# Altium PCB AMS_Remote_Module_A1.PcbDoc (part 1 of 3) (continued)
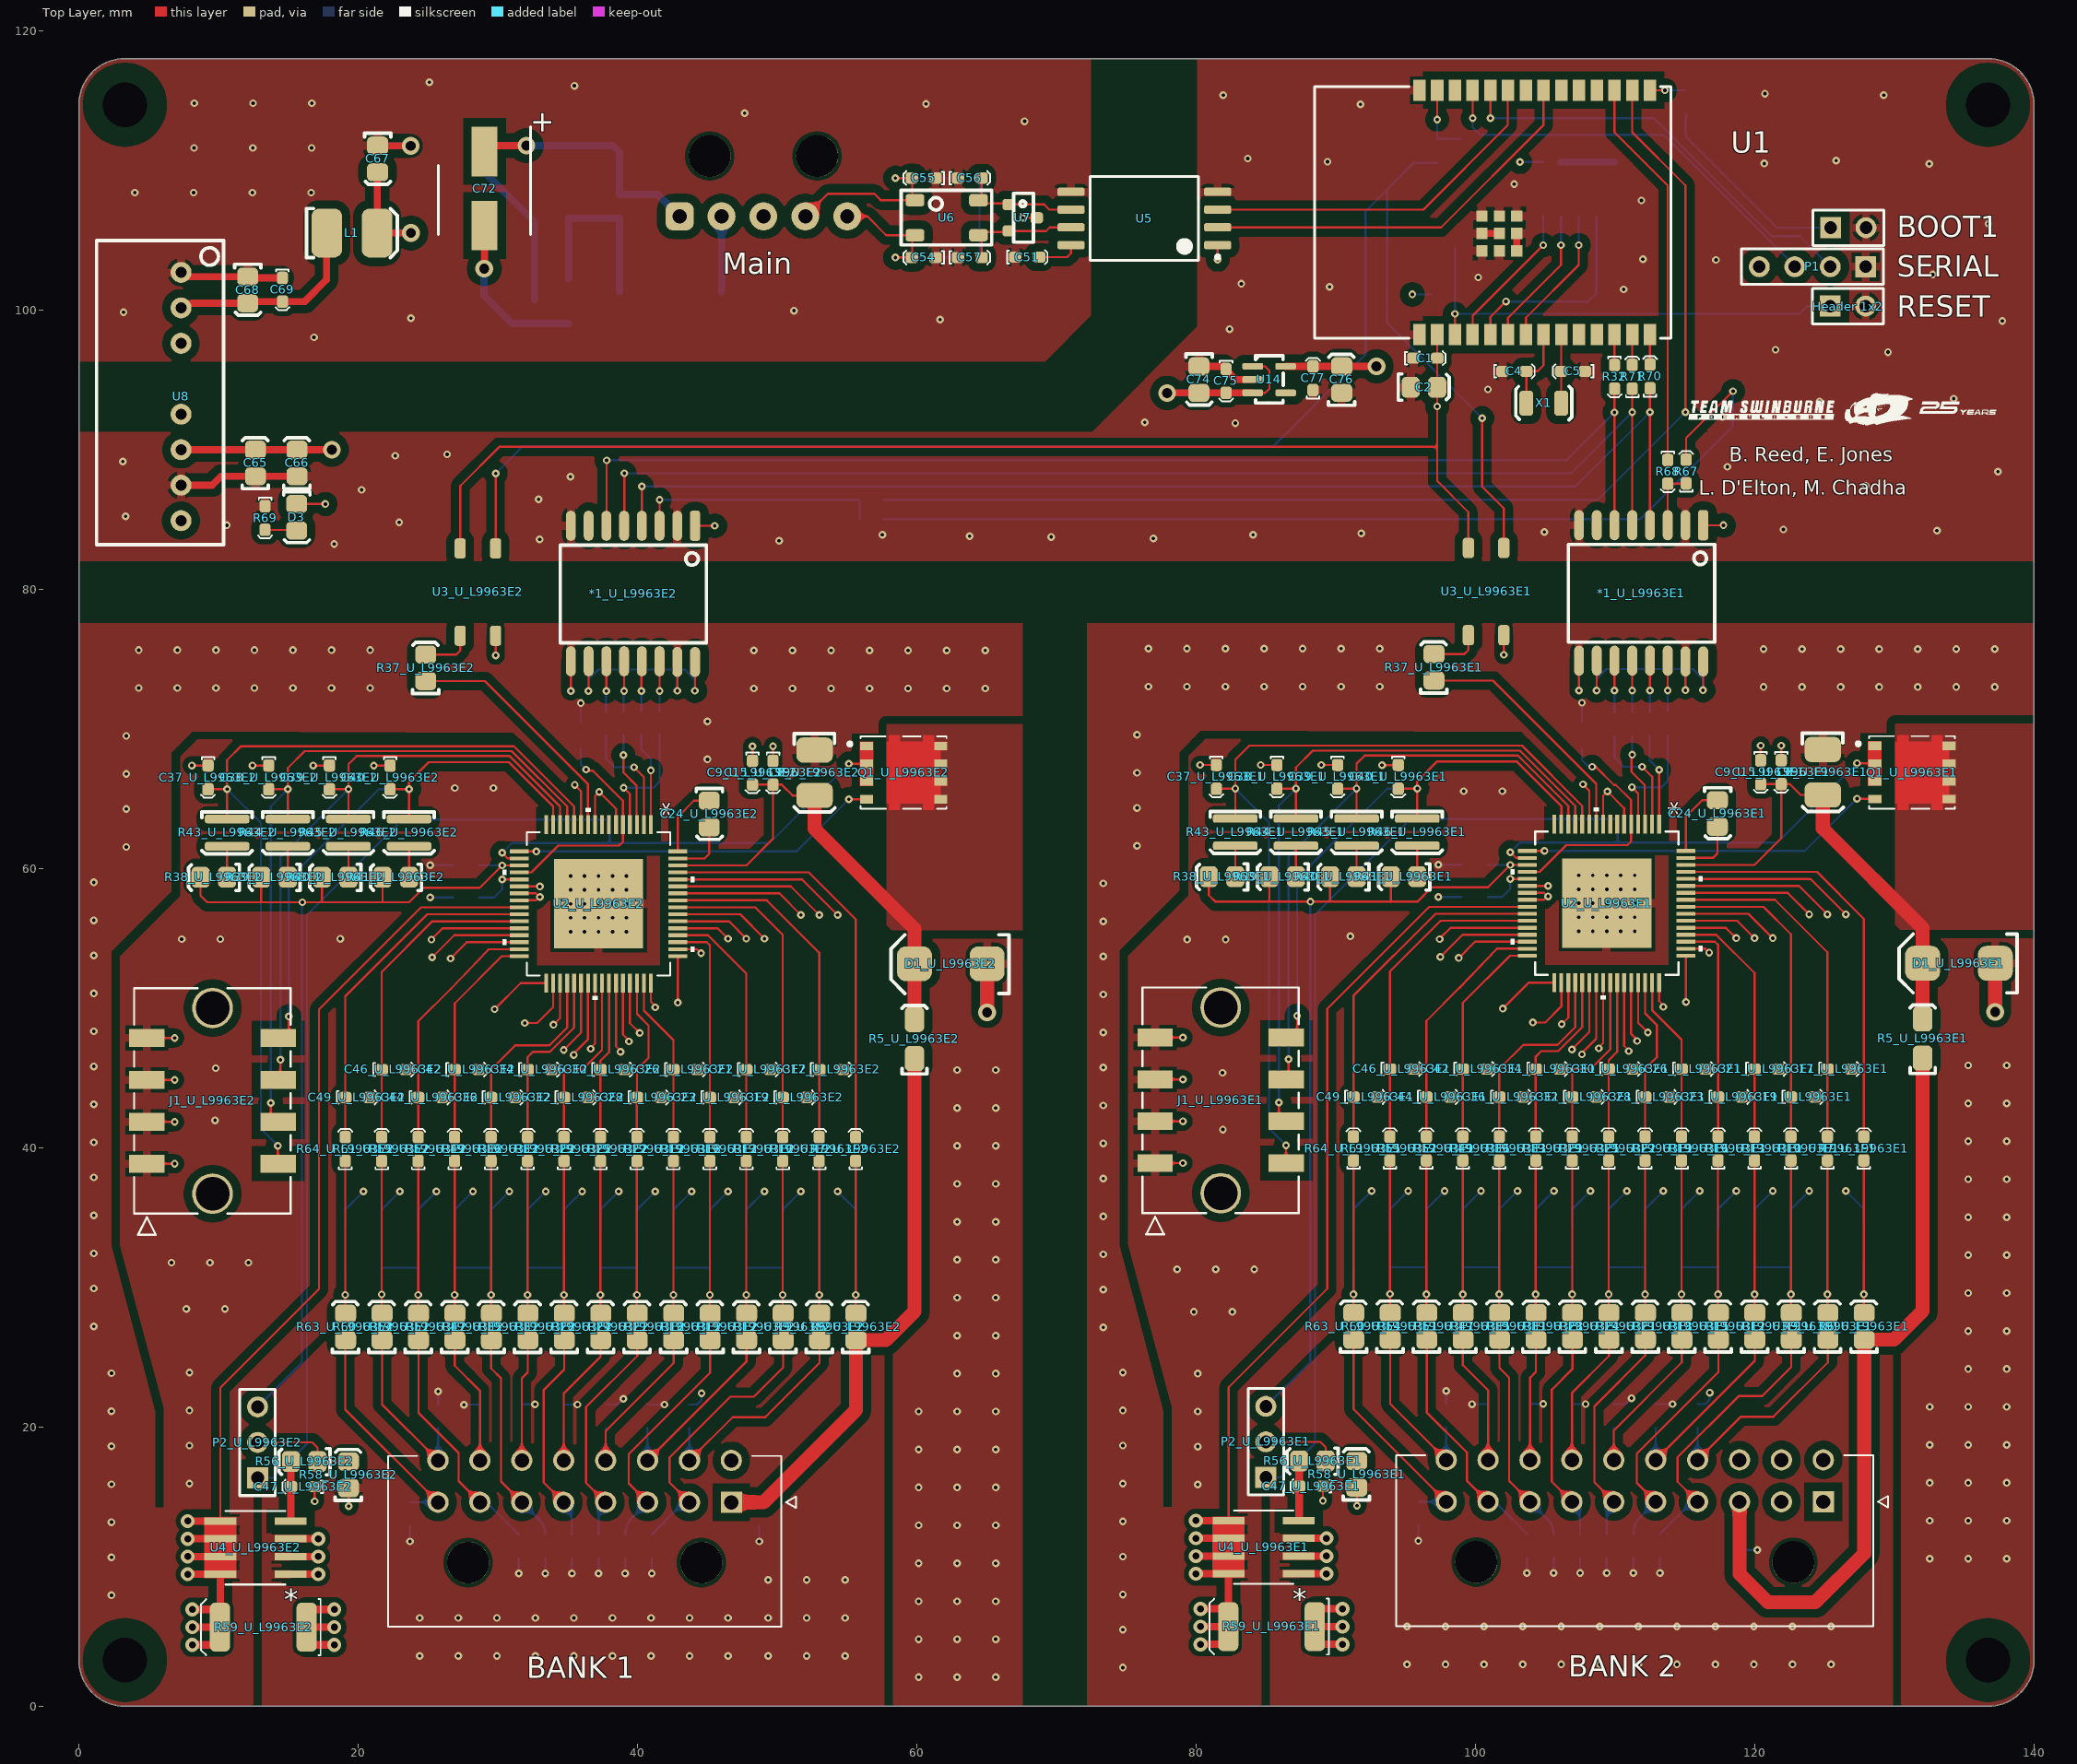
[diagram p0: Top Layer view]
## Components (designator, comment, footprint, x,y, rotation, side; value= is the part's Value field where it differs from the comment) (continued)
P2_U_L9963E1 "2.54mm" "TH 2.54mm Header 1x3" 84.988,16.395 r90 top (schematic designator P2)
P2_U_L9963E2 "2.54mm" "TH 2.54mm Header 1x3" 12.802,16.358 r90 top (schematic designator P2)
Q1_U_L9963E1 "STL8N10LF3" TRANS_STL60P4LLF6 131.255,66.878 r0 top (schematic designator Q1)
Q1_U_L9963E2 "STL8N10LF3" TRANS_STL60P4LLF6 59.055,66.866 r0 top (schematic designator Q1)
R1 "10k" 0603 115.062,115.736 r270 bottom
R2 "10k" 0603 96.827,101.117 r0 bottom
R3 "1k" 0603 97.257,112.243 r270 bottom
R4 "10k" 0603 95.543,112.243 r270 bottom
R5_U_L9963E1 "FERRITE" 1206 132.02,49.022 r90 top value=1K (schematic designator R5)
R5_U_L9963E2 "FERRITE" 1206 59.833,48.984 r90 top value=1K (schematic designator R5)
R6_U_L9963E1 "FERRITE" 0805 127.808,27.216 r90 top value=1K (schematic designator R6)
R6_U_L9963E2 "FERRITE" 0805 55.621,27.178 r90 top value=1K (schematic designator R6)
R7_U_L9963E1 "100R" 0603 127.808,39.091 r90 top value=10R (schematic designator R7)
R7_U_L9963E2 "100R" 0603 55.621,39.053 r90 top value=10R (schematic designator R7)
R8_U_L9963E1 "39R" 1206 127.808,34.174 r90 bottom (schematic designator R8)
R8_U_L9963E2 "39R" 1206 55.621,34.136 r90 bottom (schematic designator R8)
R9_U_L9963E1 "FERRITE" 0805 125.2,27.216 r90 top value=1K (schematic designator R9)
R9_U_L9963E2 "FERRITE" 0805 53.013,27.178 r90 top value=1K (schematic designator R9)
R10_U_L9963E1 "100R" 0603 125.198,39.091 r90 top value=10R (schematic designator R10)
R10_U_L9963E2 "100R" 0603 53.011,39.053 r90 top value=10R (schematic designator R10)
R11_U_L9963E1 "39R" 1206 122.588,34.047 r90 bottom (schematic designator R11)
R11_U_L9963E2 "39R" 1206 50.401,34.009 r90 bottom (schematic designator R11)
R12_U_L9963E1 "FERRITE" 0805 122.588,27.216 r90 top value=1K (schematic designator R12)
R12_U_L9963E2 "FERRITE" 0805 50.401,27.178 r90 top value=1K (schematic designator R12)
R13_U_L9963E1 "100R" 0603 122.588,39.091 r90 top value=10R (schematic designator R13)
R13_U_L9963E2 "100R" 0603 50.401,39.053 r90 top value=10R (schematic designator R13)
R14_U_L9963E1 "39R" 1206 119.977,34.047 r90 bottom (schematic designator R14)
R14_U_L9963E2 "39R" 1206 47.791,34.009 r90 bottom (schematic designator R14)
R15_U_L9963E1 "FERRITE" 0805 119.977,27.216 r90 top value=1K (schematic designator R15)
R15_U_L9963E2 "FERRITE" 0805 47.79,27.178 r90 top value=1K (schematic designator R15)
R16_U_L9963E1 "100R" 0603 119.977,39.091 r90 top value=10R (schematic designator R16)
R16_U_L9963E2 "100R" 0603 47.791,39.053 r90 top value=10R (schematic designator R16)
R17_U_L9963E1 "39R" 1206 117.367,34.047 r90 bottom (schematic designator R17)
R17_U_L9963E2 "39R" 1206 45.18,34.009 r90 bottom (schematic designator R17)
R18_U_L9963E1 "FERRITE" 0805 117.367,27.216 r90 top value=1K (schematic designator R18)
R18_U_L9963E2 "FERRITE" 0805 45.18,27.178 r90 top value=1K (schematic designator R18)
R19_U_L9963E1 "100R" 0603 117.367,39.091 r90 top value=10R (schematic designator R19)
R19_U_L9963E2 "100R" 0603 45.18,39.053 r90 top value=10R (schematic designator R19)
R20_U_L9963E1 "39R" 1206 114.757,34.047 r90 bottom (schematic designator R20)
R20_U_L9963E2 "39R" 1206 42.57,34.009 r90 bottom (schematic designator R20)
R21_U_L9963E1 "FERRITE" 0805 114.756,27.216 r90 top value=1K (schematic designator R21)
R21_U_L9963E2 "FERRITE" 0805 42.57,27.178 r90 top value=1K (schematic designator R21)
R22_U_L9963E1 "100R" 0603 114.757,39.091 r90 top value=10R (schematic designator R22)
R22_U_L9963E2 "100R" 0603 42.57,39.053 r90 top value=10R (schematic designator R22)
R23_U_L9963E1 "39R" 1206 112.146,34.047 r90 bottom (schematic designator R23)
R23_U_L9963E2 "39R" 1206 39.959,34.009 r90 bottom (schematic designator R23)
R24_U_L9963E1 "FERRITE" 0805 112.146,27.216 r90 top value=1K (schematic designator R24)
R24_U_L9963E2 "FERRITE" 0805 39.959,27.178 r90 top value=1K (schematic designator R24)
R25_U_L9963E1 "100R" 0603 112.146,39.091 r90 top value=10R (schematic designator R25)
R25_U_L9963E2 "100R" 0603 39.959,39.053 r90 top value=10R (schematic designator R25)
R26 "10k" 0603 55.907,85.014 r0 bottom
R27_U_L9963E1 "39R" 1206 109.536,34.047 r90 bottom (schematic designator R27)
R27_U_L9963E2 "39R" 1206 37.349,34.009 r90 bottom (schematic designator R27)
R28_U_L9963E1 "FERRITE" 0805 109.536,27.216 r90 top value=1K (schematic designator R28)
R28_U_L9963E2 "FERRITE" 0805 37.349,27.178 r90 top value=1K (schematic designator R28)
R29_U_L9963E1 "100R" 0603 109.536,39.091 r90 top value=10R (schematic designator R29)
R29_U_L9963E2 "100R" 0603 37.349,39.053 r90 top value=10R (schematic designator R29)
R30_U_L9963E1 "39R" 1206 106.925,34.047 r90 bottom (schematic designator R30)
R30_U_L9963E2 "39R" 1206 34.738,34.009 r90 bottom (schematic designator R30)
R31_U_L9963E1 "FERRITE" 0805 106.925,27.216 r90 top value=1K (schematic designator R31)
R31_U_L9963E2 "FERRITE" 0805 34.738,27.178 r90 top value=1K (schematic designator R31)
R32 "10R" 0603 109.957,96.061 r270 top
R33_U_L9963E1 "100R" 0603 106.925,39.091 r90 top value=10R (schematic designator R33)
R33_U_L9963E2 "100R" 0603 34.738,39.053 r90 top value=10R (schematic designator R33)
R34_U_L9963E1 "39R" 1206 104.315,34.047 r90 bottom (schematic designator R34)
R34_U_L9963E2 "39R" 1206 32.128,34.009 r90 bottom (schematic designator R34)
R35_U_L9963E1 "FERRITE" 0805 104.315,27.216 r90 top value=1K (schematic designator R35)
R35_U_L9963E2 "FERRITE" 0805 32.128,27.178 r90 top value=1K (schematic designator R35)
R36_U_L9963E1 "100R" 0603 104.315,39.091 r90 top value=10R (schematic designator R36)
R36_U_L9963E2 "100R" 0603 32.128,39.053 r90 top value=10R (schematic designator R36)
R37_U_L9963E1 "2k" 0805 97.003,74.422 r90 top (schematic designator R37)
R37_U_L9963E2 "2k" 0805 24.816,74.384 r90 top (schematic designator R37)
R38_U_L9963E1 "680R" 0805 81.842,59.385 r180 top (schematic designator R38)
R38_U_L9963E2 "680R" 0805 9.655,59.348 r180 top (schematic designator R38)
R39_U_L9963E1 "680R" 0805 86.185,59.385 r180 top (schematic designator R39)
R39_U_L9963E2 "680R" 0805 13.999,59.348 r180 top (schematic designator R39)
R40_U_L9963E1 "680R" 0805 90.529,59.385 r180 top (schematic designator R40)
R40_U_L9963E2 "680R" 0805 18.342,59.348 r180 top (schematic designator R40)
R41_U_L9963E1 "680R" 0805 94.872,59.385 r180 top (schematic designator R41)
R41_U_L9963E2 "680R" 0805 22.685,59.348 r180 top (schematic designator R41)
R42_U_L9963E1 "39R" 1206 101.704,34.047 r90 bottom (schematic designator R42)
R42_U_L9963E2 "39R" 1206 29.518,34.009 r90 bottom (schematic designator R42)
R43_U_L9963E1 "3.9K" 0612 82.804,63.576 r270 top (schematic designator R43)
R43_U_L9963E2 "3.9K" 0612 10.617,63.539 r270 top (schematic designator R43)
R44_U_L9963E1 "3.9K" 0612 87.147,63.576 r270 top (schematic designator R44)
R44_U_L9963E2 "3.9K" 0612 14.961,63.539 r270 top (schematic designator R44)
R45_U_L9963E1 "3.9K" 0612 91.491,63.576 r270 top (schematic designator R45)
R45_U_L9963E2 "3.9K" 0612 19.304,63.539 r270 top (schematic designator R45)
R46_U_L9963E1 "3.9K" 0612 95.834,63.576 r270 top (schematic designator R46)
R46_U_L9963E2 "3.9K" 0612 23.647,63.539 r270 top (schematic designator R46)
R47_U_L9963E1 "FERRITE" 0805 101.704,27.216 r90 top value=1K (schematic designator R47)
R47_U_L9963E2 "FERRITE" 0805 29.518,27.178 r90 top value=1K (schematic designator R47)
R48 "10R" 0603 57.611,86.411 r180 bottom
R49_U_L9963E1 "100R" 0603 101.704,39.091 r90 top value=10R (schematic designator R49)
R49_U_L9963E2 "100R" 0603 29.518,39.053 r90 top value=10R (schematic designator R49)
R50_U_L9963E1 "39R" 1206 99.094,34.047 r90 bottom (schematic designator R50)
R50_U_L9963E2 "39R" 1206 26.907,34.009 r90 bottom (schematic designator R50)
R51_U_L9963E1 "FERRITE" 0805 99.094,27.216 r90 top value=1K (schematic designator R51)
R51_U_L9963E2 "FERRITE" 0805 26.907,27.178 r90 top value=1K (schematic designator R51)
R52_U_L9963E1 "100R" 0603 99.094,39.091 r90 top value=10R (schematic designator R52)
R52_U_L9963E2 "100R" 0603 26.907,39.053 r90 top value=10R (schematic designator R52)
R53_U_L9963E1 "39R" 1206 96.484,34.047 r90 bottom (schematic designator R53)
R53_U_L9963E2 "39R" 1206 24.297,34.009 r90 bottom (schematic designator R53)
R54_U_L9963E1 "FERRITE" 0805 96.484,27.216 r90 top value=1K (schematic designator R54)
R54_U_L9963E2 "FERRITE" 0805 24.297,27.178 r90 top value=1K (schematic designator R54)
R55_U_L9963E1 "100R" 0603 96.484,39.091 r90 top value=10R (schematic designator R55)
R55_U_L9963E2 "100R" 0603 24.297,39.053 r90 top value=10R (schematic designator R55)
R56_U_L9963E1 "1k" 0805 88.314,17.538 r180 top (schematic designator R56)
R56_U_L9963E2 "1k" 0805 16.127,17.501 r180 top (schematic designator R56)
R57_U_L9963E1 "39R" 1206 93.873,34.047 r90 bottom (schematic designator R57)
R57_U_L9963E2 "39R" 1206 21.686,34.009 r90 bottom (schematic designator R57)
R58_U_L9963E1 "100k" 0805 91.465,16.626 r90 top (schematic designator R58)
R58_U_L9963E2 "100k" 0805 19.279,16.589 r90 top (schematic designator R58)
R59_U_L9963E1 "47R" 2512 88.496,5.702 r180 top (schematic designator R59)
R59_U_L9963E2 "47R" 2512 16.309,5.664 r180 top (schematic designator R59)
R60_U_L9963E1 "FERRITE" 0805 93.873,27.216 r90 top value=1K (schematic designator R60)
R60_U_L9963E2 "FERRITE" 0805 21.686,27.178 r90 top value=1K (schematic designator R60)
R61_U_L9963E1 "100R" 0603 93.873,39.091 r90 top value=10R (schematic designator R61)
R61_U_L9963E2 "100R" 0603 21.686,39.053 r90 top value=10R (schematic designator R61)
R62_U_L9963E1 "39R" 1206 91.263,34.047 r90 bottom (schematic designator R62)
R62_U_L9963E2 "39R" 1206 19.076,34.009 r90 bottom (schematic designator R62)
R63_U_L9963E1 "FERRITE" 0805 91.263,27.216 r90 top value=1K (schematic designator R63)
R63_U_L9963E2 "FERRITE" 0805 19.076,27.178 r90 top value=1K (schematic designator R63)
R64_U_L9963E1 "100R" 0603 91.263,39.091 r90 top value=10R (schematic designator R64)
R64_U_L9963E2 "100R" 0603 19.076,39.053 r90 top value=10R (schematic designator R64)
R65 "56R" 0805 63.502,103.785 r180 bottom
R66 "56R" 0805 63.551,109.422 r0 bottom
R67 "10k" 0603 115.087,87.581 r90 top
R68 "10R" 0603 113.767,89.259 r270 top
R69 "1.2k" 0603 13.335,85.952 r270 top
R70 "10R" 0603 112.497,94.391 r90 top
R71 "10R" 0603 111.227,94.363 r90 top
R72_U_L9963E1 "10R" 0603 113.767,69.471 r90 bottom (schematic designator R72)
R72_U_L9963E2 "10R" 0603 41.58,69.522 r90 bottom (schematic designator R72)
R73_U_L9963E1 "10R" 0603 112.497,69.471 r90 bottom (schematic designator R73)
R73_U_L9963E2 "10R" 0603 40.284,69.545 r90 bottom (schematic designator R73)
R74_U_L9963E1 "10R" 0603 111.227,69.445 r90 bottom (schematic designator R74)
R74_U_L9963E2 "10R" 0603 38.989,69.548 r90 bottom (schematic designator R74)
R75_U_L9963E1 "10R" 0603 109.957,69.445 r90 bottom (schematic designator R75)
R75_U_L9963E2 "10R" 0603 37.744,69.556 r90 bottom (schematic designator R75)
U1 "ESP32-C6-WROOM-1-N8" ESP32-C6-WROOM-1-N8 101.247,106.986 r90 top
U2_U_L9963E1 "L9963E" TQFP64_L9963E_STM 109.398,57.506 r270 top (schematic designator U2)
U2_U_L9963E2 "L9963E" TQFP64_L9963E_STM 37.211,57.468 r270 top (schematic designator U2)
U3_U_L9963E1 "PS2703-1-F3" 4-SOP 99.492,76.708 r90 top (schematic designator U3)
U3_U_L9963E2 "PS2703-1-F3" 4-SOP 27.305,76.67 r90 top (schematic designator U3)
U4_U_L9963E1 "STS8DN6LF6AG" SO-8_STM-M 84.836,11.391 r180 top (schematic designator U4)
U4_U_L9963E2 "STS8DN6LF6AG" SO-8_STM-M 12.649,11.354 r180 top (schematic designator U4)
U5 "ISO1042" TI-SOIC-8 76.294,106.553 r180 top
U6 "B82787C0104H002" "TDK 4-PC Pad" 59.868,107.859 r0 top value="100µH @ 100kHz"
U7 "NUP2105L" "ON SOT-23" 67.589,106.604 r270 top
U8 "ITQ2405SA" 8-SIP 1.265,104.982 r270 top
U12 "744272121" "Wurth 4-PC Pad" 21.39,111.769 r0 bottom value="120uH @ 100kHz"
U14 "TLV70033-Q1" "TI SOT-23-5" 84.049,95.965 r270 top
X1 "32.768kHz" "EPSON 2-SMD" 104.889,93.323 r0 top

## Footprints (in the part's own frame and the unit in brackets; to place one, negate y for a bottom-side part, rotate by r counter-clockwise, add the part's x,y. Pads: shape width x height; smd on the part's side, far side on the other; paste and mask are expansions set on the pad)
4-SOP [mm]
  rrect50% 1.45x0.8 smd: 1(0,0) 2(0,-2.54) 3(6.25,-2.54) 4(6.25,0)
  body extent 0.5,-3.5 5.75,1, height 2.1
8-SIP [mm]
  round 1.5 hole 0.8: 1(2.29,6.05) 2(4.83,6.05) 3(7.37,6.05) 5(12.45,6.05) 6(14.99,6.05) 7(17.53,6.05) 8(20.07,6.05)
  silkscreen extent 0,0 21.8,9.1, body extent 0,0 21.8,9.1, height 11.2
0603 [mm]
  rrect50% 0.9x0.8 smd: 1(0,0) 2(1.7,0)
  silkscreen extent -0.6,-0.5 2.3,0.5, body extent 0.05,-0.42 1.65,0.43, height 0.6
0612 [mm]
  rrect50% 0.6x3.2 smd: 1(0,0) 2(1.95,0)
  silkscreen extent -0.5,-1.8 2.5,1.8, body extent 0,-1.8 1.95,1.8, height 0.55
0805 [mm]
  rrect50% 1.3x1.5 smd: 1(-0.962,-0.026) 2(0.938,-0.026)
  silkscreen extent -1.85,-0.95 1.8,0.93, body extent -1,-0.65 1,0.66, height 0.73
"0805 LED" [mm]
  rrect50% 1.3x1.5 smd: A(-0.962,-0.026) K(0.938,-0.026)
  silkscreen extent -1.85,-0.95 1.8,0.93, body extent -1.09,-0.63 0.91,0.62, height 1
1206 [mm]
  rrect50% 1.8x1.4 smd: 1(-2.6,0) 2(0.2,0)
  silkscreen extent -3.7,-0.9 1.2,0.9, body extent -2.9,-0.9 0.5,0.9, height 1.85
1210 [mm]
  rrect50% 1.8x2.6 smd: 1(-2.81,0) 2(0.44,0)
  silkscreen extent -3.99,-1.46 1.62,1.46, body extent -2.77,-1.26 0.43,1.24, height 2.51
1812 [mm]
  rrect50% 2.2x3.5 smd: 1(-1.8,0) 2(1.8,0)
  silkscreen extent -3.25,-1.75 3.25,1.75, body extent -2.25,-1.6 2.25,1.6, height 2.5
2512 [mm]
  rrect50% 1.45x3.5 smd: 1(0,0) 2(6.2,0)
  silkscreen extent -1,-2 7.55,2, body extent 0,-2 6.2,2, height 0.6
2920 [mm]
  rrect50% 2.3x5.6 smd: 1(0,0) 2(7.3,0)
  silkscreen extent -1.4,-3 9,3, body extent -0.34,-2.81 7.64,2.81, height 1.14
3221-10-0300-00 [mm]
  rect 0.76x2.4 smd: 1(-2.54,-1.95) 2(-2.54,1.95) 3(-1.27,-1.95) 4(-1.27,1.95) 5(0,-1.95) 6(0,1.95) 7(1.27,-1.95) 8(1.27,1.95) 9(2.54,-1.95) 10(2.54,1.95)
  silkscreen extent -6.35,-3.6 6.35,2.55, body extent -6.34,-2.8 6.36,2.8, height 5.25
430450815 [mm]
  rect 1.27x2.54 smd paste+0 mask+0.076: 1(4.5,-4.7) 2(1.5,-4.7) 3(-1.5,-4.7) 4(-4.5,-4.7) 5(4.5,4.7) 6(1.5,4.7) 7(-1.5,4.7) 8(-4.5,4.7)
  round 2.91 / inner round 1.524 / far side round 2.91 hole 2.41 paste-2539.97 mask+0.076: P1(6.65,0) P2(-6.65,0)
  silkscreen extent -8.07,-5.61 9.6,5.59, body extent -8.08,-5.61 8.08,5.59, height 9.95
430451601 [mm]
  rect 1.52x1.52 / inner round 1.52 / far side rect 1.52x1.52 hole 1.02 mask+0.076: 1(0,0)
  round 1.52 hole 1.02 mask+0.076: 2(-3,0) 3(-6,0) 4(-9,0) 5(-12,0) 6(-15,0) 7(-18,0) 8(-21,0) 9(0,3) 10(-3,3) 11(-6,3) 12(-9,3) 13(-12,3) 14(-15,3) 15(-18,3) 16(-21,3)
  round 3 hole 3 unplated mask+0.076: ""(-18.85,-4.32) ""(-2.15,-4.32)
  silkscreen extent -24.58,-8.92 4.62,3.32
430452001 [mm]
  rect 1.52x1.52 / inner round 1.52 / far side rect 1.52x1.52 hole 1.02 mask+0.076: 1(0,0)
  round 1.52 hole 1.02 mask+0.076: 2(-3,0) 3(-6,0) 4(-9,0) 5(-12,0) 6(-15,0) 7(-18,0) 8(-21,0) 9(-24,0) 10(-27,0) 11(0,3) 12(-3,3) 13(-6,3) 14(-9,3) 15(-12,3) 16(-15,3) 17(-18,3) 18(-21,3) 19(-24,3) 20(-27,3)
  round 3 hole 3 unplated mask+0.076: ""(-24.85,-4.32) ""(-2.15,-4.32)
  silkscreen extent -30.58,-8.92 4.62,3.32, body extent -30.58,-9 3.57,3.24, height 8.83
436500500 [mm]
  rrect50% 2x2 hole 1.02 paste-2539.97: 1(0,0)
  round 2 hole 1.02 paste-2539.97: 2(-3,0) 3(-6,0) 4(-9,0) 5(-12,0)
  round 3 hole 3 unplated: PEG(-9.85,-4.32) PEG(-2.15,-4.32)
  body extent -15.32,-8.88 3.32,1.02, height 5.06
"AD 16-SOIC" [mil]
  rrect50% 28x85 smd: 1(-225,-192.02)
  oval 28x85 smd: 2(-175,-192.02) 3(-125,-192.02) 4(-75,-192.02) 5(-25,-192.02) 6(25,-192.02) 7(75,-192.02) 8(125,-192.02) 9(125,190) 10(75,189.96) 11(25,189.96) 12(-25,189.96) 13(-75,189.96) 14(-125,189.96) 15(-175,191.98) 16(-225,191.98)
  silkscreen extent -257,-138 155,138, body extent -256,-209 156,209, height 104
"CHEMI-CON ELCO" [mm]
  rect 3.55x1.85 smd: 1(-2.65,0) 2(2.65,0)
  silkscreen extent -4.43,-3.3 3.3,3.3, body extent -3.7,-3.4 3.7,3.4, height 6.1
"EPSON 2-SMD" [mm]
  rrect50% 1x1.8 smd: 1(-1.25,0) 2(1.25,0)
  silkscreen extent -2,-1.2 2,1.2, body extent -1.5,-1 1.5,1, height 1
ESP32-C6-WROOM-1-N8 [mm]
  rect 1.5x0.9 smd: 1(-8.75,5.26) 2(-8.75,3.99) 3(-8.75,2.72) 4(-8.75,1.45) 5(-8.75,0.18) 6(-8.75,-1.09) 7(-8.75,-2.36) 8(-8.75,-3.63) 9(-8.75,-4.9) 10(-8.75,-6.17) 11(-8.75,-7.44) 12(-8.75,-8.71) 13(-8.75,-9.98) 14(-8.75,-11.25) 15(8.75,-11.25) 16(8.75,-9.98) 17(8.75,-8.71) 18(8.75,-7.44) 19(8.75,-6.17) 20(8.75,-4.9) 21(8.75,-3.63) 22(8.75,-2.36) 23(8.75,-1.09) 24(8.75,0.18) 25(8.75,1.45) 26(8.75,2.72) 27(8.75,3.99) 28(8.75,5.26)
  rect 0.8x0.8 smd: 30(-2.755,0.79) 31(-2.755,-0.46) 32(-2.755,-1.71) 33(-1.505,-1.71) 34(-0.255,-1.71) 35(-0.255,-0.46) 36(-0.255,0.79) 37(-1.505,0.79) " "(-1.505,-0.46)
  silkscreen extent -10.05,-12.75 9,12.75, body extent -9.01,-12.8 9.01,12.7, height 3.1
"NXP SOD123W" [mm]
  rrect50% 1.1x1.3 smd: A(1.6,0) K(-1.6,0)
  silkscreen extent -2.2,-0.73 0.2,1.04, body extent -1.75,-0.95 1.75,0.95, height 1.1
"ON SOT-23" [mm] "NUP2105L"
  rrect50% 0.8x0.9 smd: 1(-0.95,-1) 2(0.95,-1) 3(0,1)
  silkscreen extent -1.75,-0.65 1.75,0.75, body extent -1.5,-1.28 1.5,1.27, height 1
SO-8_STM-M [mil]
  rect 90x21 smd paste+0 mask+0: 1(-99,75) 2(-99,25) 3(-99,-25) 4(-99,-75) 5(99,-75) 6(99,-25) 7(99,25) 8(99,75)
  silkscreen extent -84,-104 84,104, body extent -122,-99 122,99, height 69
"ST SMB DIODE" [mm]
  rrect50% 2.5x2.5 smd: A(2.6,0) K(-2.6,0)
  silkscreen extent -4.28,-2.12 4.17,2.08, body extent -2.88,-1.99 2.71,1.95, height 2.5
"TDK 4-PC Pad" [mm]
  rrect50% 1.35x0.9 smd: 1(0,-2.5) 2(0,0) 3(4.55,0) 4(4.55,-2.5)
  silkscreen extent -1,-3.2 5.5,0.7, body extent -0.02,-2.82 4.48,0.38, height 2.8
"TH 2.54mm Header 1x2" [mm]
  rect 1.5x1.5 hole 0.9: 1(0,0)
  round 1.5 hole 0.9: 2(2.54,0)
  silkscreen extent -1.27,-1.27 3.81,1.27, body extent -1.27,-1.27 3.81,1.27, height 9.5
"TH 2.54mm Header 1x3" [mm]
  rect 1.5x1.5 hole 0.9: 1(0,0)
  round 1.5 hole 0.9: 2(2.54,0) 3(5.08,0)
  silkscreen extent -1.27,-1.27 6.35,1.27, body extent -1.27,-1.27 6.35,1.27, height 9.5
"TH 2.54mm Header 1x4" [mm]
  rect 1.5x1.5 hole 0.9: 1(0,0)
  round 1.5 hole 0.9: 2(2.54,0) 3(5.08,0) 4(7.62,0)
  silkscreen extent -1.27,-1.27 8.89,1.27, body extent -1.27,-1.27 8.89,1.27, height 9.5
"TI SOT-23-5" [mil]
  rrect50% 19x58 smd: 1(0,0) 2(37.4,0) 3(74.8,0) 4(74.8,93) 5(0,93)
  silkscreen extent -30,8 103,86, body extent -23,-12 97,106, height 57
TI-SOIC-8 [mm]
  rrect50% 1.95x0.6 smd: 1(-5.25,1.905) 2(-5.25,0.635) 3(-5.25,-0.635) 4(-5.25,-1.905) 5(5.25,-1.905) 6(5.25,-0.635) 7(5.25,0.635) 8(5.25,1.905)
  silkscreen extent -5.38,-3 3.88,3, body extent -5.75,-3 5.75,3, height 2.8
TQFP64_L9963E_STM [mil]
  rect 53x11 smd paste+0 mask+0: 1(-223.5,147.68) 2(-223.5,127.98) 3(-223.5,108.3) 4(-223.5,88.6) 5(-223.5,68.91) 6(-223.5,49.23) 7(-223.5,29.53) 8(-223.5,9.85) 9(-223.5,-9.85) 10(-223.5,-29.53) 11(-223.5,-49.23) 12(-223.5,-68.92) 13(-223.5,-88.6) 14(-223.5,-108.3) 15(-223.5,-127.98) 16(-223.5,-147.68) 33(223.5,-147.68) 34(223.5,-127.98) 35(223.5,-108.3) 36(223.5,-88.6) 37(223.5,-68.91) 38(223.5,-49.23) 39(223.5,-29.53) 40(223.5,-9.85) 41(223.5,9.85) 42(223.5,29.53) 43(223.5,49.23) 44(223.5,68.92) 45(223.5,88.6) 46(223.5,108.3) 47(223.5,127.98) 48(223.5,147.68)
  rect 11x53 smd paste+0 mask+0: 17(-147.68,-223.5) 18(-127.99,-223.5) 19(-108.3,-223.5) 20(-88.6,-223.5) 21(-68.91,-223.5) 22(-49.22,-223.5) 23(-29.53,-223.5) 24(-9.84,-223.5) 25(9.84,-223.5) 26(29.53,-223.5) 27(49.22,-223.5) 28(68.92,-223.5) 29(88.61,-223.5) 30(108.3,-223.5) 31(127.99,-223.5) 32(147.68,-223.5) 49(147.68,223.5) 50(127.99,223.5) 51(108.3,223.5) 52(88.6,223.5) 53(68.91,223.5) 54(49.22,223.5) 55(29.53,223.5) 56(9.84,223.5) 57(-9.84,223.5) 58(-29.53,223.5) 59(-49.22,223.5) 60(-68.92,223.5) 61(-88.61,223.5) 62(-108.3,223.5) 63(-127.99,223.5) 64(-147.68,223.5)
  rect 252x252 smd paste-125.5 mask+0: EPAD(0,0)
  silkscreen extent -270,-270 270,270, body extent -236,-236 236,236, height 47
TRANS_STL60P4LLF6 [mm]
  rect 0.94x0.62 smd: 1(-2.655,1.905) 2(-2.655,0.635) 3(-2.655,-0.635) 4(-2.655,-1.905) 5(2.655,-1.905) 6(2.655,-0.635) 7(2.655,0.635) 8(2.655,1.905)
  Top Layer region: 2.195,2.205 3.12,2.205 3.12,1.6 2.655,1.6 2.655,0.94 3.12,0.94 3.12,0.33 2.655,0.33 2.655,-0.33 3.12,-0.33 3.12,-0.94 2.655,-0.94 2.655,-1.6 3.12,-1.6 3.12,-2.205 2.195,-2.205 2.195,-2.675 1.395,-2.675 1.395,-2.205 -0.255,-2.205 -0.255,-2.675 -1.055,-2.675 -1.055,-2.205 -1.205,-2.205 -1.205,2.205 -1.055,2.205 -1.055,2.675 -0.255,2.675 -0.255,2.205 1.395,2.205 1.395,2.675 2.195,2.675
  silkscreen extent -3.95,-2.6 3.08,2.6, body extent -3.08,-2.6 3.08,2.6, height 1
"Wurth 4-PC Pad" [mm]
  rrect50% 2.7x2.7 smd: 1(7.62,6.22) 2(0,6.22) 3(0,0) 4(7.62,0)
  silkscreen extent -1.7,-1.8 9.4,8, body extent -1.19,-1.24 8.81,7.46, height 6.2

## Part data
*1_U_L9963E1 *1_U_L9963E2: "Quad Channel 2.5kV Digital Isolator with isoPower", Manufacturer="Analogue Devices", Complex IC=0, Part Number=ADUM5401
"BANK 1": "Micro-Fit 8x2 TH R/A", Digikey Part Number=WM7490-ND, Package=None, Angle=90, Availability=Unavailable, Contact=Gold, Digikey Link=https://www.digikey.com.au/en/products/detail/molex/0430451601/3044582, Flange=No, MP=430451601, Part Number=430451601, Pitch=3.0mm, Positions=16, Price=None, Row Spacing=3.0mm
"BANK 2": "Micro-Fit 10x2 TH R/A", Digikey Part Number=WM7492-ND, Package=None, Angle=90, Availability=Unavailable, Contact=Gold, Digikey Link=https://www.digikey.com.au/en/products/detail/molex/0430452001/3044584, Flange=No, MP=430452001, Part Number=430452001, Pitch=3.0mm, Positions=20, Price=None, Row Spacing=3.0mm
BOOT1 "Header 1x2": library part "TH 2.54mm Header 1x2", Angle=0, Contact=NA, Flange=No, Part Number="TH 2.54mm Header 1x2", Pitch=2.54mm, Positions=2, Row Spacing=2.54mm
C1 C3 C51 C52 C69 C70 C71 C75 C77: library part GCM188L81H104KA57D, Digikey Part Number=490-6049-1-ND, Manufacturer=muRata, Rated Voltage=50V, Temperature Rating=X8L, Tolerance=±10%, Material=MLCC, Part Number=GCM188L81H104KA57D
C2: library part GRM21BR61A226ME51L, Digikey Part Number=490-10511-1-ND, Manufacturer=muRata, Rated Voltage=50V, Temperature Rating=X5R, Tolerance=20%, Material=MLCC, Part Number=GRM21BR61A226ME51L
C4 C5: library part GRM0335C1H220JA01D, Digikey Part Number=490-6123-1-ND, Manufacturer="Murata Electronics", Rated Voltage=50V, Temperature Rating="C0G, NP0", Tolerance=±5%, Material=MLCC, Part Number=GRM0335C1H220JA01D
C6 C24_U_L9963E1 C24_U_L9963E2 C66 C74 C76: library part GCM21BR71H105KA03L, Digikey Part Number=490-10675-1-ND, Manufacturer=muRata, Rated Voltage=50V, Temperature Rating=X7R, Tolerance=±10%, Material=MLCC, Part Number=GCM21BR71H105KA03L
C7 C54 C55 C56 C57: library part GRM1885C1H101JA01D, Digikey Part Number=490-1427-1-ND, Manufacturer="Murata Electronics", Rated Voltage=50V, Temperature Rating="C0G, NP0", Tolerance=±5%, Material=MLCC, Part Number=GRM1885C1H101JA01D
C8_U_L9963E1 C8_U_L9963E2: library part CL32B225KCJSNNE, Digikey Part Number=1276-3362-6-ND, Manufacturer="Samsung Electro-Mechanics", Rated Voltage=100V, Temperature Rating=X7R, Tolerance=±10%, Material=MLCC, Part Number=CL32B225KCJSNNE
C9_U_L9963E1 C9_U_L9963E2: library part CL10B333KC8WPNC, Digikey Part Number=1276-CL10B333KC8WPNCDKR-ND, Manufacturer="Samsung Electro-Mechanics", Rated Voltage=100V, Temperature Rating=X7R, Tolerance=±10%, Material=MLCC, Part Number=CL10B333KC8WPNC
C11_U_L9963E1 C11_U_L9963E2 C12_U_L9963E1 C12_U_L9963E2 C14_U_L9963E1 C14_U_L9963E2: library part GRM21BR71E225KE11L, Digikey Part Number=490-14467-2-ND, Manufacturer="Murata Electronics", Rated Voltage=25V, Temperature Rating=X7R, Tolerance=±10%, Material=MLCC, Part Number=GRM21BR71E225KE11L
C13_U_L9963E1 C13_U_L9963E2: library part C1210X475K101T, Digikey Part Number=4587-C1210X475K101TDKR-ND, Manufacturer="Holy Stone Enterprise Co., Ltd.", Rated Voltage=100V, Temperature Rating=X7R, Tolerance=±10%, Material=MLCC, Part Number=C1210X475K101T
C15_U_L9963E1 C15_U_L9963E2 C37_U_L9963E1 C37_U_L9963E2 C38_U_L9963E1 C38_U_L9963E2 C39_U_L9963E1 C39_U_L9963E2 C40_U_L9963E1 C40_U_L9963E2: library part CL10B104KC8NNNC, Digikey Part Number=1276-6807-6-ND, Manufacturer="Samsung Electro-Mechanics", Rated Voltage=100V, Temperature Rating=X7R, Tolerance=±10%, Material=MLCC, Part Number=CL10B104KC8NNNC
C16_U_L9963E1 C16_U_L9963E2 C18_U_L9963E1 C18_U_L9963E2 C20_U_L9963E1 C20_U_L9963E2 C22_U_L9963E1 C22_U_L9963E2 C25_U_L9963E1 C25_U_L9963E2 C27_U_L9963E1 C27_U_L9963E2 C29_U_L9963E1 C29_U_L9963E2 C31_U_L9963E1 C31_U_L9963E2 C33_U_L9963E1 C33_U_L9963E2 C35_U_L9963E1 C35_U_L9963E2 C41_U_L9963E1 C41_U_L9963E2 C43_U_L9963E1 C43_U_L9963E2 C45_U_L9963E1 C45_U_L9963E2 C48_U_L9963E1 C48_U_L9963E2 C50_U_L9963E1 C50_U_L9963E2: library part GCJ188R92A473KA01D, Digikey Part Number=490-16473-1-ND, Manufacturer="Murata Electronics", Rated Voltage=100V, Temperature Rating=X8R, Tolerance=±10%, Material=MLCC, Part Number=GCJ188R92A473KA01D
C17_U_L9963E1 C17_U_L9963E2 C19_U_L9963E1 C19_U_L9963E2 C21_U_L9963E1 C21_U_L9963E2 C23_U_L9963E1 C23_U_L9963E2 C26_U_L9963E1 C26_U_L9963E2 C28_U_L9963E1 C28_U_L9963E2 C30_U_L9963E1 C30_U_L9963E2 C32_U_L9963E1 C32_U_L9963E2 C34_U_L9963E1 C34_U_L9963E2 C36_U_L9963E1 C36_U_L9963E2 C42_U_L9963E1 C42_U_L9963E2 C44_U_L9963E1 C44_U_L9963E2 C46_U_L9963E1 C46_U_L9963E2 C49_U_L9963E1 C49_U_L9963E2: library part GCM188L81H103KA03D, Digikey Part Number=490-GCM188L81H103KA03DCT-ND, Manufacturer=muRata, Rated Voltage=50V, Temperature Rating=X8L, Tolerance=±10%, Material=MLCC, Part Number=GCM188L81H103KA03D
C47_U_L9963E1 C47_U_L9963E2: library part CGA3E2X7R2A472K080AA, Digikey Part Number=445-5810-6-ND, Manufacturer="TDK Corporation", Rated Voltage=100V, Temperature Rating=X7R, Tolerance=±10%, Material=MLCC, Part Number=CGA3E2X7R2A472K080AA
C53 C65: library part GRM21BR61A226ME51L, Digikey Part Number=490-10511-1-ND, Manufacturer=muRata, Rated Voltage=10V, Temperature Rating=X5R, Tolerance=20%, Material=MLCC, Part Number=GRM21BR61A226ME51L
C67 C68: library part GRM21BR6YA106KE43L, Digikey Part Number=490-10514-6-ND, Manufacturer=muRata, Rated Voltage=50V, Temperature Rating=X5R, Tolerance=10%, Material=MLCC, Part Number=GRM21BR6YA106KE43L
C72: library part HHXA350ARA470MF61G, Manufacturer=Chemi-Con, Rated Voltage=35V, Temperature Rating=125C, Tolerance=20%, Material="Aluminium Electrolytic", Part Number=HHXA350ARA470MF61G
D1_U_L9963E1 D1_U_L9963E2: Breakdown Voltage=121V, Manufacturer=STMicroelectronics, Rated Power=600W, Part Number=SMA6T68AY
D2: Breakdown Voltage="100 V", Digikey Part Number=1727-PMEG100T10ELR-QXCT-ND, Forward Voltage="0.75 V @ 1A", Manufacturer="Nexperia USA Inc.", Rated Power="680 mW", Part Number=PMEG100T10ELR-QX
D3: library part SML-211DTT86, "Orange LED Indication - Discrete 1.75V 0805 (2012 Metric)", Digikey Part Number=511-1291-1-ND, Manufacturer="ROHM Semiconductor", Colour=Orange, Part Number=SML-211DTT86
D4: Breakdown Voltage="30.8 V", Digikey Part Number=497-10804-1-ND, Manufacturer=STMicroelectronics, Rated Power=600W, Forward Voltage="30.8 V", Part Number=SM6T36CAY
F1: "PTC RESET FUSE 60V 1A 292", Digikey Part Number=507-2070-1-ND, Manufacturer="Littelfuse Inc.", Digikey Link=https://www.digikey.com/product-detail/en/bel-fuse-inc/0ZCF0100AF2A/507-2070-1-ND/6210547, Part Number=0ZCF0100AF2A
J1_U_L9963E1 J1_U_L9963E2: "No Description Available", Digikey Part Number=WM7067DKR-ND, Mfr_Name="Molex Connector Corporation", Angle=90, Contact=Gold, Digikey Link=https://www.digikey.com/en/products/detail/molex/0430450815/3044333, Flange=No, Part Number=430450815, Pitch=3.0mm, Positions=8, RefDes=RefDes, Row Spacing=3.0mm, Type=Type
JTAG1: library part "SMD 1.27mm Header 2x5 (3221-10-0300-00)", Angle=0, Contact=NA, Flange=No, Part Number="SMD 1.27mm Header 2x5 (3221-10-0300-00)", Pitch=1.27mm, Positions=10, Row Spacing=1.27mm
L1: library part RLS-126, Digikey Part Number=945-3429-ND, Manufacturer=Recom, Rated Current="0.8 A", Tolerance=0.2, Impedance=230mOhm, Material=Wirewound, Part Number=RLS-126
Main: "Micro-Fit 5x1", Digikey Part Number=WM1863-ND, Angle=90, Contact=Tin, Digikey Link=https://www.digikey.com.au/en/products/detail/molex/0436500500/268992, Flange=No, Part Number=436500500, Pitch=3.0mm, Positions=5, Row Spacing=3.0mm
P1: library part "TH 2.54mm Header 1x4", Angle=0, Contact=NA, Flange=No, Part Number="TH 2.54mm Header 1x4", Pitch=2.54mm, Positions=4, Row Spacing=2.54mm
P2_U_L9963E1 P2_U_L9963E2: library part "TH 2.54mm Header 1x3", Angle=0, Contact=NA, Flange=No, Part Number="TH 2.54mm Header 1x3", Pitch=2.54mm, Positions=3, Row Spacing=2.54mm
Q1_U_L9963E1 Q1_U_L9963E2: "N-Channel 100 V 20A (Tc) 4.3W (Ta), 70W (Tc) Surface Mount PowerFlat™ (5x6)", Digikey Part Number=497-13652-6-ND, Manufacturer=STMicroelectronics, Rated Power=70W, LatestRevisionDate=29-May-2009, LatestRevisionNote="IPC-7351 Footprint Added.", PackageDescription="4-Pin SOT-343 Package 1.3 mm Pitch, 2.1 mm Lead Span", PackageReference=SOT-343, PackageVersion=Sep-2000, Part Number=STL8N10LF3, Published=24-Mar-1999, Publisher="Altium Limited", Type=N-channel
R1 R2 R4 R26 R67: library part RC0603FR-0710KL, Digikey Part Number=311-10.0KHRCT-ND, Manufacturer=YAGEO, Rated Power=0.1W, Tolerance=0.01, Material=FR-07, Part Number=RC0603FR-0710KL
R3: library part RC0603FR-071KL, Digikey Part Number=311-1.00KHRCT-ND, Manufacturer=YAGEO, Rated Power=0.1W, Tolerance=0.01, Material=FR-07, Part Number=RC0603FR-071KL
R5_U_L9963E1 R5_U_L9963E2: library part BLM31KN102SH1L, Digikey Part Number=490-16520-6-ND, Manufacturer="Murata Electronics", Rated Power=Ferrite, Part Number=BLM31KN102SH1L
R6_U_L9963E1 R6_U_L9963E2 R9_U_L9963E1 R9_U_L9963E2 R12_U_L9963E1 R12_U_L9963E2 R15_U_L9963E1 R15_U_L9963E2 R18_U_L9963E1 R18_U_L9963E2 R21_U_L9963E1 R21_U_L9963E2 R24_U_L9963E1 R24_U_L9963E2 R28_U_L9963E1 R28_U_L9963E2 R31_U_L9963E1 R31_U_L9963E2 R35_U_L9963E1 R35_U_L9963E2 R47_U_L9963E1 R47_U_L9963E2 R51_U_L9963E1 R51_U_L9963E2 R54_U_L9963E1 R54_U_L9963E2 R60_U_L9963E1 R60_U_L9963E2 R63_U_L9963E1 R63_U_L9963E2: library part MPZ2012S102ATD25, Manufacturer=TDK, Rated Power=Ferrite, Part Number=MPZ2012S102ATD25
R7_U_L9963E1 R7_U_L9963E2 R10_U_L9963E1 R10_U_L9963E2 R13_U_L9963E1 R13_U_L9963E2 R16_U_L9963E1 R16_U_L9963E2 R19_U_L9963E1 R19_U_L9963E2 R22_U_L9963E1 R22_U_L9963E2 R25_U_L9963E1 R25_U_L9963E2 R29_U_L9963E1 R29_U_L9963E2 R32 R33_U_L9963E1 R33_U_L9963E2 R36_U_L9963E1 R36_U_L9963E2 R48 R49_U_L9963E1 R49_U_L9963E2 R52_U_L9963E1 R52_U_L9963E2 R55_U_L9963E1 R55_U_L9963E2 R61_U_L9963E1 R61_U_L9963E2 R64_U_L9963E1 R64_U_L9963E2 R68 R70 R71 R72_U_L9963E1 R72_U_L9963E2 R73_U_L9963E1 R73_U_L9963E2 R74_U_L9963E1 R74_U_L9963E2 R75_U_L9963E1 R75_U_L9963E2: library part RC0603FR-0710RL, Digikey Part Number=311-10.0HRCT-ND, Manufacturer=YAGEO, Rated Power=0.1W, Tolerance=0.01, Material=FR-07, Part Number=RC0603FR-0710RL
R8_U_L9963E1 R8_U_L9963E2 R11_U_L9963E1 R11_U_L9963E2 R14_U_L9963E1 R14_U_L9963E2 R17_U_L9963E1 R17_U_L9963E2 R20_U_L9963E1 R20_U_L9963E2 R23_U_L9963E1 R23_U_L9963E2 R27_U_L9963E1 R27_U_L9963E2 R30_U_L9963E1 R30_U_L9963E2 R34_U_L9963E1 R34_U_L9963E2 R42_U_L9963E1 R42_U_L9963E2 R50_U_L9963E1 R50_U_L9963E2 R53_U_L9963E1 R53_U_L9963E2 R57_U_L9963E1 R57_U_L9963E2 R62_U_L9963E1 R62_U_L9963E2: library part CRCW120639R0FKEAHP, Digikey Part Number=541-39.0UCT-ND, Manufacturer="Vishay Dale", Rated Power=0.75W, Tolerance=0.01, Part Number=CRCW120639R0FKEAHP
R37_U_L9963E1 R37_U_L9963E2: library part RC0805FR072KL, Digikey Part Number=311-2.00KCRCT-ND, Manufacturer=YAGEO, Rated Power=0.125W, Tolerance=0.01, Material=FR-07, Part Number=RC0805FR072KL
R38_U_L9963E1 R38_U_L9963E2 R39_U_L9963E1 R39_U_L9963E2 R40_U_L9963E1 R40_U_L9963E2 R41_U_L9963E1 R41_U_L9963E2: library part RCS0805680RFKEA, Digikey Part Number=541-10548-6-ND, Manufacturer="Vishay Dale", Rated Power=0.5, Tolerance=0.01, Material="Thick Film", Part Number=RCS0805680RFKEA
R43_U_L9963E1 R43_U_L9963E2 R44_U_L9963E1 R44_U_L9963E2 R45_U_L9963E1 R45_U_L9963E2 R46_U_L9963E1 R46_U_L9963E2: library part 3430B2F3K9TDF, Digikey Part Number=1712-3430B2F3K9TDFDKR-ND, Manufacturer="TE Connectivity Passive Product", Rated Power=1.5W, Tolerance=0.01, Material="Thick Film", Part Number=3430B2F3K9TDF
R56_U_L9963E1 R56_U_L9963E2: library part RC0805FR071KL, Digikey Part Number=311-1.00KCRCT-ND, Manufacturer=YAGEO, Rated Power=0.125W, Tolerance=0.01, Material=FR-07, Part Number=RC0805FR071KL
R58_U_L9963E1 R58_U_L9963E2: library part RC0805FR07100KL, Digikey Part Number=311-100KCRCT-ND, Manufacturer=YAGEO, Rated Power=0.125W, Tolerance=0.01, Material=FR-07, Part Number=RC0805FR07100KL
R59_U_L9963E1 R59_U_L9963E2: library part CRCW251247R0FKEG, Digikey Part Number=541-47.0AFDKR-ND, Manufacturer="Vishay Dale", Rated Power=1W, Tolerance=0.01, Material="Thick Film", Part Number=CRCW251247R0FKEG
R65 R66: library part RC0805FR0756RL, Digikey Part Number=311-56.0CRCT-ND, Manufacturer=YAGEO, Rated Power=0.125W, Tolerance=0.01, Material=FR-07, Part Number=RC0805FR0756RL
R69: library part RC0603JR-071K2L, Digikey Part Number=311-1.2KGRCT-ND, Manufacturer=YAGEO, Rated Power=0.1W, Tolerance=0.01, Material=FR-07, Part Number=RC0603JR-071K2L
U1: "RF TXRX MOD BT WIFI PCB TH SMD", Manufacturer=Espressif, Complex IC=1, Part Number=ESP32-C6-WROOM-1-N8
U2_U_L9963E1 U2_U_L9963E2: "AUTOMOTIVE CHIP FOR BATTERY MANA", Manufacturer="ST Microelectronics", Complex IC=1, Part Number=L9963E
U3_U_L9963E1 U3_U_L9963E2: "OPTOISOLATOR 3.75KV TRANS 4SMD", Digikey Part Number=559-1155-6-ND, Manufacturer="Renesas Electronics Corporation", Complex IC=0, Digikey Link=https://www.digikey.com.au/en/products/detail/renesas-electronics-corporation/PS2703-1-F3-A/9564816, Part Number=PS2703-1-F3
U4_U_L9963E1 U4_U_L9963E2: "Mosfet Array 60V 8A (Ta) 3.2W Surface Mount 8-SO", Digikey Part Number=497-17309-6-ND, Manufacturer=STMicroelectronics, Complex IC=0, Digikey Link=https://www.digikey.com.au/en/products/detail/stmicro/STS8DN6LF6AG/7360928?utm_adgroup=&utm_source=google&utm_medium=cpc&utm_campaign=PMax%20Shopping_Low%20Performing%20Products&utm_term=&utm_id=go_cmp-20086482685_adg-_ad-__dev-c_ext-_prd-_sig-Cj0KCQjw-5y, Mfr_Name=STMicroelectronics, Part Number=STS8DN6LF6AG, RefDes=RefDes, Type=Type
U5: "IC CAN TRANSCEIVER 1/1 8SOIC", Digikey Part Number=296-ISO1042BQDWVQ1-ND, Manufacturer="Texas Instruments", Part Number=ISO1042
U6: Digikey Part Number=495-4598-1-ND, Manufacturer="EPCOS (TDK)", Rated Current=150mA, Impedance="5.8 kOhms @ 10MHz", Material=Wirewound, Part Number=B82787C0104H002
U7: "Dual Line CAN Bus Protector", Digikey Part Number=NUP2105LT1GOSCT-ND, Manufacturer="ON Semiconductor", Digikey Link=https://www.digikey.com/product-detail/en/on-semiconductor/NUP2105LT1G/NUP2105LT1GOSCT-ND/1485001, Part Number=NUP2105L
U8: "DC DC CONVERTER 5V 6W", Digikey Part Number=1470-2858-5-ND, Input Voltage="9 to 36 V", Manufacturer="XP Power", Output Current="1.2 A", Output Voltage="5 V", Part Number=ITQ2405SA
U12: Digikey Part Number=732-1489-1-ND, Manufacturer="Wurth Electronics Inc", Rated Current="2.5 A", Impedance="460 Ohms @ 30MHz", Material=Wirewound, Part Number=744272121
U14: "IC REG LINEAR 3.3V 200MA SOT23-5", Digikey Part Number=296-27780-1-ND, Input Voltage="2 to 5.5 V", Manufacturer="Texas Instruments", Output Current="0.2 A", Output Voltage="3.3 V", Part Number=TLV70033-Q1